# KiCad board backplane.kicad_pcb (continued)
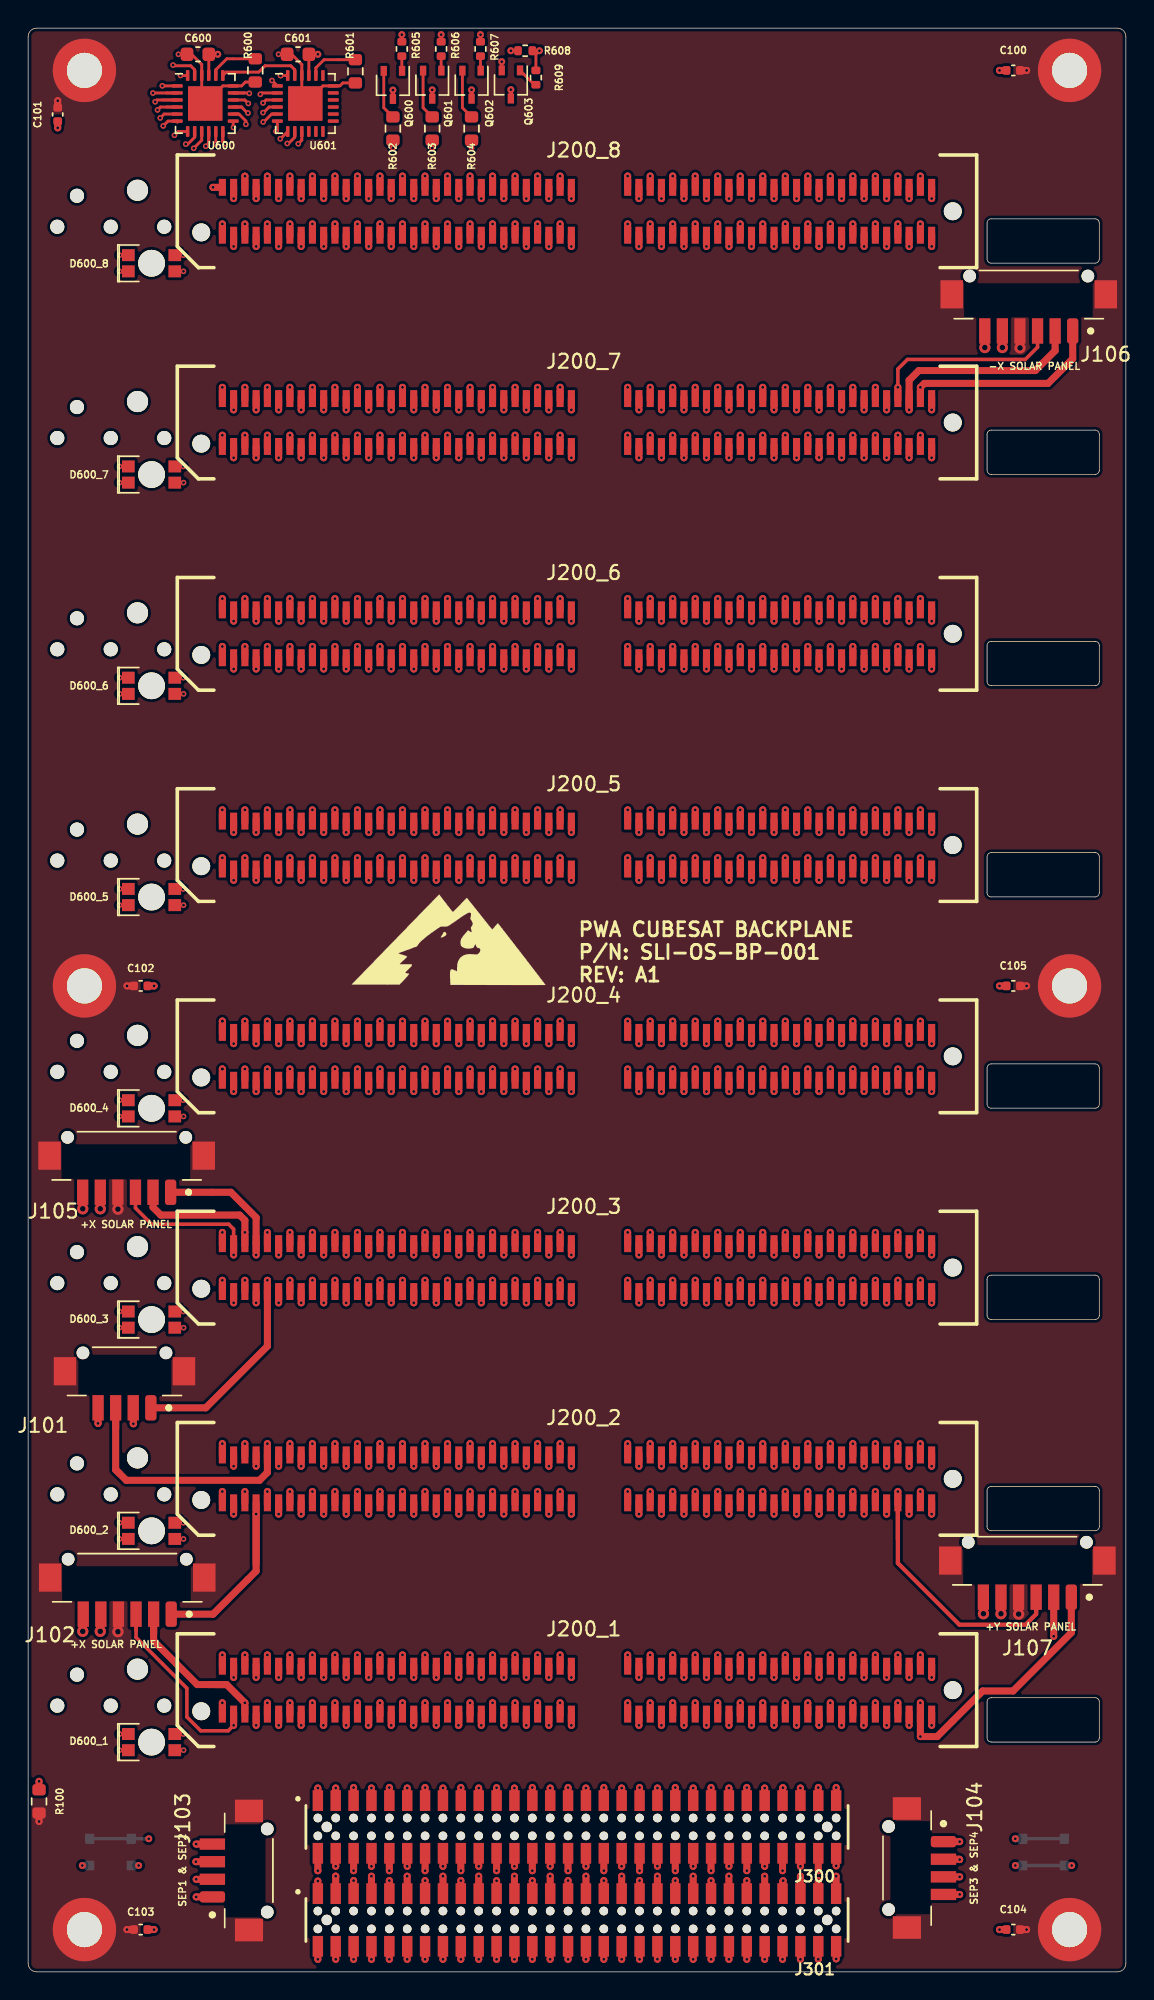
[diagram p0: board, top side]
## Routing (per net, layer and track width the routed paths; a pad name or vN(x,y) marks a point on that pad's centre or on a via; arc(x,y) is an arc through that point) (continued)
  In4.Cu w0.25: v1(54.87,6.79) 54.52,6.79 54.24,7.07 54.24,8.38 ; 54.24,8.38 54.24,9.02 ; 54.24,8.38 54.24,13.72 55.18,14.66 58.16,14.66 v1(61,17.5)
  In4.Cu w0.5: 61,122.5 61,112.1 60.2,111.3 60.2,110.28 61,109.48 v1(61,107.5) ; 61,47.5 61,37.1 60.2,36.3 60.2,35.28 61,34.48 v1(61,32.5) ; 61,62.5 61,52.1 60.2,51.3 60.2,50.28 61,49.48 v1(61,47.5) ; 61,77.5 61,67.1 60.2,66.3 60.2,65.28 61,64.48 v1(61,62.5) ; 61,92.5 61,82.1 60.2,81.3 60.2,80.28 61,79.48 v1(61,77.5) ; 61,107.5 61,97.1 60.2,96.3 60.2,95.28 61,94.48 v1(61,92.5) ; v1(61,17.5) 61,19.47 60.2,20.28 60.2,21.3 61,22.1 61,32.5
/H2-52: length 141.9
  Top w0.5: v1(61,125.9) 61,126.8 ; v1(61,20.9) 61,21.8 ; v1(61,35.9) 61,36.8 ; v1(61,50.9) 61,51.8 ; v1(61,65.9) 61,66.8 ; v1(61,80.9) 61,81.8 ; v1(61,95.9) 61,96.8 ; v1(61,110.9) 61,111.8 ; J301.56 v1(54.88,0.89)
  In2.Cu w0.25: v1(54.88,0.89) 54.24,1.52 54.24,13.46 56.34,15.56 58.28,15.56 60.42,17.7 60.42,18.36 61,18.94 v1(61,20.9)
  In2.Cu w0.5: 61,125.9 61,123.68 60.2,122.87 60.2,122.3 61,121.5 v1(61,110.9) ; 61,110.9 61,108.68 60.2,107.87 60.2,107.3 61,106.5 v1(61,95.9) ; 61,95.9 61,93.68 60.2,92.87 60.2,92.3 61,91.5 v1(61,80.9) ; v1(61,50.9) 61,61.5 60.2,62.3 60.2,62.87 61,63.68 61,65.9 ; v1(61,35.9) 61,46.5 60.2,47.3 60.2,47.87 61,48.68 61,50.9 ; 61,80.9 61,78.68 60.2,77.87 60.2,77.3 61,76.5 v1(61,65.9) ; v1(61,20.9) 61,31.5 60.2,32.3 60.2,32.87 61,33.68 61,35.9
/LED Driver/B1: length 138.1
  Top w0.2: 10.42,15.74 v2(11.04,15.74) ; U600.2 9.84,133.4
  Top w0.203: v2(8.87,133.4) 8.87,133.4 U600.2
  In3.Cu w0.203: v2(8.87,133.4) 7.92,132.45 4.82,132.45 0.44,128.07 0.44,15.8 2.25,13.98 9.29,13.98 v2(11.04,15.74)
/LED Driver/B2: length 119.4
  Top w0.2: 10.42,30.74 v2(11.04,30.74)
  Top w0.203: v2(9.39,131.62) 9.66,131.9 U600.5
  In3.Cu w0.203: v2(11.04,30.74) 10.71,30.74
  In4.Cu w0.203: v2(9.39,131.62) 6.34,131.62 0.45,125.74 0.45,31.46 1.86,30.06 10.36,30.06 v2(11.04,30.74)
/LED Driver/B3: length 107
  Top w0.2: 10.42,45.74 v2(11.04,45.74)
  Top w0.203: v2(11.2,129.77) 11.34,129.77 11.83,130.26 11.83,130.66
  In2.Cu w0.203: v2(11.2,129.77) 1.87,129.77 0.35,128.25 0.35,46.29 1.9,44.75 10.05,44.75 v2(11.04,45.74)
/LED Driver/B4: length 93.7
  Top w0.2: 10.42,60.74 v2(11.04,60.74) ; 13.33,130.66 v2(13.33,129.75)
  In1.Cu w0.203: v2(13.33,129.75) 12.81,130.28 10.99,130.28 10.39,129.68 1.88,129.68 0.4,128.19 0.4,63.03 0.34,62.97 0.34,61.82 2.15,60 10.31,60 v2(11.04,60.74)
/LED Driver/B5: length 74.4
  Top w0.2: 10.42,75.74 v2(11.04,75.74)
  Top w0.203: U600.14 14.98,131.9 15.47,131.41 v2(15.47,131.18)
  In3.Cu w0.203: v2(11.04,75.74) 10.36,75.06 6.18,75.06 4.34,76.89 4.34,129.28 5.35,130.29 9.54,130.29 10.88,131.62 15.02,131.62 v2(15.47,131.18)
/LED Driver/B6: length 62
  Top w0.2: 10.42,90.73 v2(11.04,90.73) ; U600.17 15.33,133.4
  Top w0.203: U600.17 15.68,133.4 v2(15.72,133.37)
  In4.Cu w0.203: v2(11.04,90.73) 9.95,89.65 5.54,89.65 4.8,90.39 4.8,127.66 5.96,128.81 13.82,128.81 15.04,130.03 15.06,130.03 16.19,131.16 16.19,132.9 v2(15.72,133.37)
/LED Driver/B7: length 45.7
  Top w0.2: 10.42,105.73 v2(11.04,105.73)
  Top w0.203: v2(16.69,132) 16.73,132 17.12,132.4 U601.4
  In1.Cu w0.203: v2(16.69,132) 16.41,132 16.03,131.63 16.03,130.35 13.68,128 5.07,128 4.29,127.22 4.29,105.74 4.97,105.05 10.36,105.05 v2(11.04,105.73)
/LED Driver/B8: length 27.2
  Top w0.2: 10.42,120.73 v2(11.04,120.73)
  Top w0.203: 18.45,130.66 17.93,130.15 v2(17.91,130.15)
  In3.Cu w0.203: v2(17.91,130.15) 17.6,130.15 15.5,128.05 7.35,128.05 6.58,127.28 6.58,126.12 7.08,125.62 7.08,123.25 5.93,122.1 5.93,120.3 6.42,119.81 9.42,119.81 10.35,120.73 v2(11.04,120.73)
/LED Driver/G1: length 128
  Top w0.2: D600_1.2 v2(6.5,15.74) ; 9.54,132.9 U600.3
  Top w0.203: U600.3 9.15,132.9 v2(9.03,132.77)
  In3.Cu w0.203: v2(9.03,132.77) 8.29,132.04 5.03,132.04 0.86,127.86 0.86,21.37 v2(6.5,15.74)
/LED Driver/G2: length 110
  Top w0.2: D600_2.2 v2(6.5,30.74)
  Top w0.203: 10.6,131.33 U600.6 9.94,131.4 v2(9.6,131.06)
  In4.Cu w0.203: v2(9.6,131.06) 6.35,131.06 0.86,125.57 0.86,36.37 v2(6.5,30.74)
/LED Driver/G3: length 98.4
  Top w0.2: D600_3.2 v2(6.5,45.74) ; 12.33,130.66 12.33,130.66
  Top w0.203: 12.33,130.66 12.33,130.04 v2(11.76,129.47)
  In2.Cu w0.203: v2(6.5,45.74) 0.75,51.48 0.75,128.08 1.92,129.25 11.54,129.25 v2(11.76,129.47)
/LED Driver/G4: length 88.6
  Top w0.2: D600_4.2 v2(6.5,60.74) ; 13.85,129.94 13.83,129.95 13.83,130.66
  Top w0.203: v2(14.02,129.8) 13.83,129.98 13.83,130.66
  In1.Cu w0.203: v2(14.02,129.8) 14.02,129.51 13.42,128.92 1.73,128.92 0.81,128 0.81,62.87 0.74,62.8 0.74,62.18 2.19,60.74 v2(6.5,60.74)
/LED Driver/G5: length 69.1
  Top w0.2: D600_5.2 v2(6.5,75.74) ; U600.15 15.18,132.4
  Top w0.203: v2(15.62,131.97) 15.58,131.97 15.16,132.4 U600.15
  In3.Cu w0.203: v2(15.62,131.97) 16.01,131.58 16.01,130.97 13.95,128.91 13.46,128.91 13.44,128.89 5.54,128.89 4.78,128.12 4.78,77.45 v2(6.5,75.74)
/LED Driver/G6: length 55.4
  Top w0.2: D600_6.2 v2(6.52,90.73)
  Top w0.203: U601.2 16.6,133.4 v2(16.5,133.3)
  In2.Cu w0.203: v2(6.52,90.73) 6.23,90.73 4.33,92.64 4.33,127.54 5.23,128.44 13.55,128.44 16.18,131.06 16.18,132.99 v2(16.5,133.3)
/LED Driver/G7: length 39
  Top w0.2: D600_7.2 v2(6.5,105.73)
  Top w0.203: v2(16.7,131.34) 16.74,131.34 17.3,131.9 U601.5
  In1.Cu w0.203: v2(16.7,131.34) 16.7,130.42 13.83,127.54 5.32,127.54 4.74,126.97 4.74,105.98 4.98,105.73 v2(6.5,105.73)
/LED Driver/G8: length 22.5
  Top w0.2: D600_8.2 v2(6.5,120.73)
  Top w0.203: v2(18.41,129.81) 18.5,129.81 18.95,130.26 18.95,130.66
  In4.Cu w0.203: v2(6.5,120.73) 5.78,121.45 5.78,122.49 6.78,123.49 6.78,124.95 6.31,125.42 6.31,127.61 7.07,128.37 13.95,128.37 15.21,129.62 18.23,129.62 v2(18.41,129.81)
/LED Driver/LATCH_LED: length 25.8
  Top w0.2: U600.1 9.45,133.9 ; U601.1 v2(17.33,134.28)
  Top w0.3: Q602.3 v1(31.51,133.62)
  In1.Cu w0.2: 17.37,134.24 v2(17.33,134.28) ; 25.86,132.59 30.48,132.59
  In1.Cu w0.203: 30.48,132.59 v1(31.51,133.62) ; 25.86,132.59 24.54,133.91 17.7,133.91 v2(17.33,134.28) ; 17.24,134.2 v2(17.33,134.28) ; v2(17.33,134.28) 11.48,134.28 11.1,133.91 v2(9.54,133.91) 9.6,133.97
/LED Driver/R1: length 125.6
  Top w0.2: D600_1.1 v2(6.5,16.89) ; U600.4 9.85,132.4
  Top w0.203: U600.4 9.4,132.4 v2(9.19,132.19)
  In3.Cu w0.203: v2(9.19,132.19) 8.63,131.63 5.28,131.63 1.27,127.62 1.27,22.12 v2(6.5,16.89)
/LED Driver/R2: length 108.8
  Top w0.2: D600_2.1 v2(6.5,31.89)
  Top w0.203: v2(10.4,130.4) 10.66,130.66 11.33,130.66
  In4.Cu w0.203: v2(10.4,130.4) 6.26,130.4 1.27,125.4 1.27,93.51 1.37,93.41 1.37,79.39 1.27,79.29 1.27,78.51 1.37,78.41 1.37,64.39 1.27,64.29 1.27,63.51 1.37,63.41 1.37,49.39 1.27,49.29 1.27,37.12 v2(6.5,31.89)
/LED Driver/R3: length 97.7
  Top w0.2: D600_3.1 v2(6.5,46.89) ; 12.83,130.66 12.83,129.93 12.84,129.92
  Top w0.203: v2(12.62,129.62) 12.83,129.83 12.83,130.66
  In2.Cu w0.203: v2(12.62,129.62) 11.85,128.84 2.33,128.84 1.27,127.78 1.27,52.12 v2(6.5,46.89)
/LED Driver/R4: length 84.5
  Top w0.2: D600_4.1 v2(6.5,61.89)
  Top w0.203: v2(14.59,130.94) 14.57,130.96 U600.13
  In1.Cu w0.203: v2(6.5,61.89) 1.27,67.12 1.27,127.57 2.15,128.46 13.57,128.46 14.59,129.48 v2(14.59,130.94)
/LED Driver/R5: length 66.9
  Top w0.2: D600_5.1 v2(6.5,76.89)
  Top w0.203: v2(15.65,132.65) 15.4,132.9 U600.16
  In4.Cu w0.203: v2(6.5,76.89) 4.37,79.02 4.37,127.8 6.2,129.62 10.34,129.62 13.37,132.65 v2(15.65,132.65)
/LED Driver/R6: length 54.1
  Top w0.2: D600_6.1 v2(6.5,91.88)
  Top w0.203: v2(16.69,132.69) 16.9,132.9 U601.3
  In2.Cu w0.203: v2(6.5,91.88) 5.91,91.88 4.75,93.05 4.75,126.83 5.93,128 14.23,128 17.28,131.06 17.28,132.38 16.96,132.69 v2(16.69,132.69)
/LED Driver/R7: length 36.6
  Top w0.2: D600_7.1 v2(6.5,106.88)
  Top w0.203: v2(17.61,130.67) 17.71,130.77 U601.6
  In3.Cu w0.203: v2(17.61,130.67) 17.33,130.67 15.13,128.48 7.21,128.48 6.17,127.44 6.17,125.95 6.67,125.45 6.67,123.47 5.48,122.28 5.48,111.28 7.1,109.66 7.1,107.49 v2(6.5,106.88) 6.67,107.06
/LED Driver/R8: length 21.1
  Top w0.2: 7.12,121.88 v2(6.5,121.88)
  Top w0.203: 19.45,130.66 19.45,130.04 v2(19.19,129.79)
  In4.Cu w0.203: v2(19.19,129.79) 18.62,129.22 15.37,129.22 14.12,127.97 7.24,127.97 6.72,127.44 6.72,125.59 7.19,125.12 7.19,122.57 v2(6.5,121.88)
/LED Driver/SCLK_LED: length 17.5
  Top w0.2: Q600.3 25.92,132.84 ; U600.24 v2(10.82,134.64)
  Top w0.203: U601.24 v2(17.94,134.64)
  Top w0.3: Q600.3 v1(25.92,133.6)
  In1.Cu w0.203: v2(10.82,134.64) 11.06,134.87 17.71,134.87 v2(17.94,134.64) 24.88,134.64 v1(25.92,133.6)
/LED Driver/SIN_LED: length 21.9
  Top w0.203: v2(10.3,135.38) 10.35,135.33 11.55,135.33 11.83,135.05 U600.23
  Top w0.3: Q601.3 v1(28.71,133.62)
  In1.Cu w0.203: v2(10.3,135.38) 25,135.38 26.77,133.62 v1(28.71,133.62)
/LED Driver/SOUT_LED_1: length 5.9
  Top w0.203: U601.23 18.95,135.05 18.66,135.33 16.83,135.33 16.38,134.88 14.08,134.88 U600.19
/LED Driver/~{enable}: length 14.9
  Top w0.2: v1(26.55,137.54) R605.1 ; v1(32.14,137.54) R607.1 ; v1(29.35,137.54) R606.1 ; R608.2 v1(34.3,136.4)
  Top w0.3: Q603.3 v1(34.3,133.64)
  In1.Cu w0.2: v1(34.3,133.64) v1(34.3,136.4) 33.16,137.54 ; 34.05,136.65 33.16,137.54 ; 33.16,137.54 v1(32.14,137.54) v1(29.35,137.54) v1(26.55,137.54)
/RBF: length 125.4
  Top w0.5: v1(28.2,124.1) 28.2,123.2 ; v1(28.2,19.1) 28.2,18.2 ; v1(28.2,34.1) 28.2,33.2 ; v1(28.2,49.1) 28.2,48.2 ; v1(28.2,64.1) 28.2,63.2 ; v1(28.2,79.1) 28.2,78.2 ; v1(28.2,94.1) 28.2,93.2 ; v1(28.2,109.1) 28.2,108.2 ; J300.19 v1(32.02,13.05)
  In1.Cu w0.25: v1(32.02,13.05) 28.2,16.86 v1(28.2,19.1)
  In1.Cu w0.5: v1(28.2,124.1) 28.2,122.3 29,121.5 29,112.1 28.2,111.3 v1(28.2,109.1) 28.2,107.3 29,106.5 29,97.1 28.2,96.3 v1(28.2,94.1) 28.2,92.3 29,91.5 29,82.1 28.2,81.3 v1(28.2,79.1) 28.2,77.3 29,76.5 29,67.1 28.2,66.3 v1(28.2,64.1) 28.2,62.3 29,61.5 29,52.1 28.2,51.3 v1(28.2,49.1) 28.2,47.3 29,46.5 29,37.1 28.2,36.3 v1(28.2,34.1) 28.2,32.3 29,31.5 29,22.1 28.2,21.3 v1(28.2,19.1)
/SELF_TEST: length 148.6
  Top w0.5: v1(57,124.1) 57,123.2 ; v1(57,19.1) 57,18.2 ; v1(57,34.1) 57,33.2 ; v1(57,49.1) 57,48.2 ; v1(57,64.1) 57,63.2 ; v1(57,79.1) 57,78.2 ; v1(57,94.1) 57,93.2 ; v1(57,109.1) 57,108.2 ; J300.51 v1(52.34,13.05)
  In1.Cu w0.25: v1(57,19.1) 57,17.46 56.16,16.62 55.91,16.62 v1(52.34,13.05) 53.06,12.32 67.28,12.32 v1(70.15,9.45)
  In1.Cu w0.5: v1(57,124.1) 57,122.3 57.8,121.5 57.8,112.1 57,111.3 v1(57,109.1) 57,107.3 57.8,106.5 57.8,97.1 57,96.3 v1(57,94.1) 57,92.3 57.8,91.5 57.8,82.1 57,81.3 v1(57,79.1) 57,77.3 57.8,76.5 57.8,67.1 57,66.3 v1(57,64.1) 57,62.3 57.8,61.5 57.8,52.1 57,51.3 v1(57,49.1) 57,47.3 57.8,46.5 57.8,37.1 57,36.3 v1(57,34.1) 57,32.3 57.8,31.5 57.8,22.1 57,21.3 v1(57,19.1)
  Bottom w0.25: 73.62,9.45 70.68,9.45
  Bottom w0.5: 70.68,9.45 v1(70.15,9.45)
/SEP1: length 149.5
  Top w0.5: v1(13.8,124.1) 13.8,123.2 ; v1(13.8,19.1) 13.8,18.2 ; v1(13.8,34.1) 13.8,33.2 ; v1(13.8,49.1) 13.8,48.2 ; v1(13.8,64.1) 13.8,63.2 ; v1(13.8,79.1) 13.8,78.2 ; v1(13.8,94.1) 13.8,93.2 ; v1(13.8,109.1) 13.8,108.2 ; J103.1 v1(11.94,5.32) ; J300.1 v1(20.59,13.05)
  In1.Cu w0.25: v1(11.94,5.32) 11.59,5.32 7.99,8.92 7.99,9.89 11.15,13.05 v1(20.59,13.05) 18.2,13.05 13.8,17.45 v1(13.8,19.1) ; 14.6,27.62 14.6,27.53
  In1.Cu w0.3: 13.8,122.3 13.8,122.3
  In1.Cu w0.5: v1(13.8,19.1) 13.8,21.3 14.6,22.1 14.6,31.5 13.8,32.3 v1(13.8,34.1) 13.8,36.3 14.6,37.1 14.6,46.5 13.8,47.3 v1(13.8,49.1) 13.8,51.3 14.6,52.1 14.6,61.5 13.8,62.3 v1(13.8,64.1) 13.8,66.3 14.6,67.1 14.6,76.5 13.8,77.3 v1(13.8,79.1) 13.8,81.3 14.6,82.1 14.6,91.5 13.8,92.3 v1(13.8,94.1) 13.8,96.3 14.6,97.1 14.6,106.5 13.8,107.3 v1(13.8,109.1) 13.8,111.3 14.6,112.1 14.6,121.5 13.8,122.3 v1(13.8,124.1)
/SEP2: length 145.5
  Top w0.5: v1(13.8,22.5) 13.8,21.6 ; v1(13.8,37.5) 13.8,36.6 ; v1(13.8,52.5) 13.8,51.6 ; v1(13.8,67.5) 13.8,66.6 ; v1(13.8,82.5) 13.8,81.6 ; v1(13.8,97.5) 13.8,96.6 ; v1(13.8,112.5) 13.8,111.6 ; J300.2 v1(20.59,7.18) ; J103.3 v1(11.92,7.82) ; J200_8.2 v1(13.14,126.7)
  In1.Cu w0.25: v1(11.92,7.82) 19.95,7.82 v1(20.59,7.18)
  In3.Cu w0.25: v1(13.8,22.5) 13.8,19.95 14.38,19.38 14.38,18.58 15.38,17.58 15.38,17.15 19.26,13.26 19.26,9.09 20.59,7.77 v1(20.59,7.18)
  In3.Cu w0.5: v1(13.8,22.5) 13.8,32.87 14.6,33.67 14.6,34.65 13.8,35.5 v1(13.8,37.5) 13.8,47.87 14.6,48.67 14.6,49.65 13.8,50.5 v1(13.8,52.5) 13.8,62.87 14.6,63.67 14.6,64.65 13.8,65.5 v1(13.8,67.5) 13.8,77.87 14.6,78.67 14.6,79.65 13.8,80.5 v1(13.8,82.5) 13.8,92.87 14.6,93.67 14.6,94.65 13.8,95.5 v1(13.8,97.5) 13.8,107.87 14.6,108.67 14.6,109.65 13.8,110.5 v1(13.8,112.5) 13.8,122.87 14.6,123.67 14.6,124.65 13.75,125.5 13.75,126.09 v1(13.14,126.7)
/SEP3: length 143.2
  Top w0.5: v1(64.2,122.5) 64.2,123.4 ; v1(64.2,17.5) 64.2,18.4 ; v1(64.2,32.5) 64.2,33.4 ; v1(64.2,47.5) 64.2,48.4 ; v1(64.2,62.5) 64.2,63.4 ; v1(64.2,77.5) 64.2,78.4 ; v1(64.2,92.5) 64.2,93.4 ; v1(64.2,107.5) 64.2,108.4 ; J301.59 57.41,6.79 ; J104.1 v1(66.19,9.25)
  In1.Cu w0.25: v1(57.41,6.79) 57.54,6.79 59.99,9.25 v1(66.19,9.25)
  In4.Cu w0.25: v1(57.41,6.79) 57.77,6.79 58.56,7.58 58.56,11.86 62.03,15.33 62.88,15.33 64.2,16.65 v1(64.2,17.5)
  In4.Cu w0.5: 64.2,122.5 64.2,112.1 63.4,111.3 63.4,110.28 64.2,109.48 v1(64.2,107.5) ; 64.2,32.5 64.2,22.1 63.4,21.3 63.4,20.28 64.2,19.48 v1(64.2,17.5) ; 64.2,47.5 64.2,37.1 63.4,36.3 63.4,35.28 64.2,34.48 v1(64.2,32.5) ; 64.2,62.5 64.2,52.1 63.4,51.3 63.4,50.28 64.2,49.48 v1(64.2,47.5) ; 64.2,77.5 64.2,67.1 63.4,66.3 63.4,65.28 64.2,64.48 v1(64.2,62.5) ; 64.2,92.5 64.2,82.1 63.4,81.3 63.4,80.28 64.2,79.48 v1(64.2,77.5) ; 64.2,107.5 64.2,97.1 63.4,96.3 63.4,95.28 64.2,94.48 v1(64.2,92.5)
/SEP4: length 155.9
  Top w0.5: v1(64.2,125.9) 64.2,126.8 ; v1(64.2,20.9) 64.2,21.8 ; v1(64.2,35.9) 64.2,36.8 ; v1(64.2,50.9) 64.2,51.8 ; v1(64.2,65.9) 64.2,66.8 ; v1(64.2,80.9) 64.2,81.8 ; v1(64.2,95.9) 64.2,96.8 ; v1(64.2,110.9) 64.2,111.8 ; J301.60 v1(57.41,0.92) ; J104.3 v1(66.19,6.75)
  In1.Cu w0.25: v1(66.19,6.75) 60.48,6.75 59.19,5.46 59.19,3.18 57.41,1.4 v1(57.41,0.92)
  In2.Cu w0.25: v1(64.2,20.9) 64.2,18.6 64.78,18.02 64.78,17.23 63.68,16.13 61.99,16.13 58.18,12.32 58.18,12.32 58.18,1.68 v1(57.41,0.92)
  In2.Cu w0.5: 64.2,125.9 64.2,123.68 63.4,122.87 63.4,122.3 64.2,121.5 v1(64.2,110.9) ; v1(64.2,95.9) 64.2,106.5 63.4,107.3 63.4,107.87 64.2,108.68 64.2,110.9 ; v1(64.2,80.9) 64.2,91.5 63.4,92.3 63.4,92.87 64.2,93.68 64.2,95.9 ; v1(64.2,35.9) 64.2,46.5 63.4,47.3 63.4,47.87 64.2,48.68 64.2,50.9 ; v1(64.2,65.9) 64.2,76.5 63.4,77.3 63.4,77.87 64.2,78.68 64.2,80.9 ; v1(64.2,50.9) 64.2,61.5 63.4,62.3 63.4,62.87 64.2,63.68 64.2,65.9 ; v1(64.2,20.9) 64.2,31.5 63.4,32.3 63.4,32.87 64.2,33.68 64.2,35.9
/USER_1: length 163.2
  Top w0.2: R604.2 v2(31.51,129.49)
  Top w0.5: v1(57,127.5) 57,126.6 ; v1(57,22.5) 57,21.6 ; v1(57,37.5) 57,36.6 ; v1(57,52.5) 57,51.6 ; v1(57,67.5) 57,66.6 ; v1(57,82.5) 57,81.6 ; v1(57,97.5) 57,96.6 ; v1(57,112.5) 57,111.6 ; J300.52 v1(52.34,7.49)
  In1.Cu w0.2: 55.01,129.49 v1(57,127.5)
  In1.Cu w0.203: 55.01,129.49 v2(31.51,129.49)
  In3.Cu w0.25: v1(57,22.5) 57,19.95 57.58,19.38 57.58,18.71 57.22,18.35 57.22,17.53 56.16,16.47 54.9,16.47 51.7,13.27 51.7,8.13 v1(52.34,7.49)
  In3.Cu w0.5: v1(57,127.5) 57,125.5 57.8,124.65 57.8,123.67 57,122.87 v1(57,112.5) 57,110.5 57.8,109.65 57.8,108.67 57,107.87 v1(57,97.5) 57,95.5 57.8,94.65 57.8,93.67 57,92.87 v1(57,82.5) 57,80.5 57.8,79.65 57.8,78.67 57,77.87 v1(57,67.5) 57,65.5 57.8,64.65 57.8,63.67 57,62.87 v1(57,52.5) 57,50.5 57.8,49.65 57.8,48.67 57,47.87 v1(57,37.5) 57,35.5 57.8,34.65 57.8,33.67 57,32.87 v1(57,22.5)
/USER_2: length 126.2
  Top w0.5: v1(58.6,124.1) 58.6,123.2 ; v1(58.6,19.1) 58.6,18.2 ; v1(58.6,34.1) 58.6,33.2 ; v1(58.6,49.1) 58.6,48.2 ; v1(58.6,64.1) 58.6,63.2 ; v1(58.6,79.1) 58.6,78.2 ; v1(58.6,94.1) 58.6,93.2 ; v1(58.6,109.1) 58.6,108.2 ; v1(53.63,13.07) 53.6,13.04 J300.53
  In1.Cu w0.25: v1(53.63,13.07) 57.14,16.58 57.73,16.58 58.6,17.45 v1(58.6,19.1)
  In1.Cu w0.5: v1(58.6,124.1) 58.6,122.3 59.4,121.5 59.4,112.1 58.6,111.3 v1(58.6,109.1) 58.6,107.3 59.4,106.5 59.4,97.1 58.6,96.3 v1(58.6,94.1) 58.6,92.3 59.4,91.5 59.4,82.1 58.6,81.3 v1(58.6,79.1) 58.6,77.3 59.4,76.5 59.4,67.1 58.6,66.3 v1(58.6,64.1) 58.6,62.3 59.4,61.5 59.4,52.1 58.6,51.3 v1(58.6,49.1) 58.6,47.3 59.4,46.5 59.4,37.1 58.6,36.3 v1(58.6,34.1) 58.6,32.3 59.4,31.5 59.4,22.1 58.6,21.3 v1(58.6,19.1)
/USER_3: length 137.4
  Top w0.5: v1(58.6,127.5) 58.6,126.6 ; v1(58.6,22.5) 58.6,21.6 ; v1(58.6,37.5) 58.6,36.6 ; v1(58.6,52.5) 58.6,51.6 ; v1(58.6,67.5) 58.6,66.6 ; v1(58.6,82.5) 58.6,81.6 ; v1(58.6,97.5) 58.6,96.6 ; v1(58.6,112.5) 58.6,111.6 ; J300.54 v1(53.6,7.18)
  In3.Cu w0.25: v1(58.6,22.5) 58.6,19.95 59.18,19.38 59.18,18.59 58.78,18.2 58.78,17.3 57.5,16.02 55.72,16.02 52.97,13.27 52.97,7.81 v1(53.6,7.18)
  In3.Cu w0.5: v1(58.6,127.5) 58.6,125.5 59.4,124.65 59.4,123.67 58.6,122.87 v1(58.6,112.5) 58.6,110.5 59.4,109.65 59.4,108.67 58.6,107.87 v1(58.6,97.5) 58.6,95.5 59.4,94.65 59.4,93.67 58.6,92.87 v1(58.6,82.5) 58.6,80.5 59.4,79.65 59.4,78.67 58.6,77.87 v1(58.6,67.5) 58.6,65.5 59.4,64.65 59.4,63.67 58.6,62.87 v1(58.6,52.5) 58.6,50.5 59.4,49.65 59.4,48.67 58.6,47.87 v1(58.6,37.5) 58.6,35.5 59.4,34.65 59.4,33.67 58.6,32.87 v1(58.6,22.5)
CHS: length 8.5
  Top w0.25: 76.47,29.2 J107.7 ; 5.87,2.93 5.8,3 ; 72.1,70.1 72.2,70
  Top w0.5: v1(7.02,70) C102.2 ; v1(7.02,3) C103.2 ; v1(70.95,135) 70.48,135 ; v1(70.95,70) 70.48,70 ; v1(70.95,3) 70.48,3 ; J105.4 6.38,55.35 v3(6.38,54.15) ; v1(0.77,10.68) R100.2 ; v1(2.1,132.85) C101.2
  Top w0.6: v3(6.38,24.15) 6.38,25.34 ; v3(70.38,25.4) 70.38,26.59 ; v3(70.48,115.3) 70.48,116.5 70.47,116.5
Net-(Q600-Pad1): length 1.1
  Top w0.2: Q600.1 26.55,134.98 R605.2
Net-(Q600-Pad2): length 3.5
  Top w0.2: Q600.2 25.27,132.35 R602.1
Net-(Q601-Pad1): length 1
  Top w0.2: Q601.1 29.35,135 R606.2
Net-(Q601-Pad2): length 3.6
  Top w0.2: Q601.2 28.06,132.35 R603.1
Net-(Q602-Pad1): length 1
  Top w0.2: R607.2 32.14,135 Q602.1
Net-(Q602-Pad2): length 3.6
  Top w0.2: R604.1 30.86,132.35 Q602.2
Net-(Q603-Pad1): length 1.5
  Top w0.2: Q603.1 35.97,133.98 R609.2
Net-(R600-Pad2): length 3.5
  Top w0.2: 14.58,135.83 R600.2
  Top w0.203: U600.20 13.33,135.05 14.11,135.83 14.58,135.83
Net-(R601-Pad2): length 3.6
  Top w0.2: 22.07,135.76 R601.2
  Top w0.203: 22.07,135.76 21.02,135.76 20.45,135.18 U601.20

## Copper pours and planes (outline as drawn; the poured copper is in the pictures)
/5V_USB on In4.Cu: 78.5,138 78.5,0 -0.5,0 -0.5,138
GND on In1.Cu: 78.5,138 78.5,0 -0.5,0 -0.5,138
GND on In2.Cu: 78.5,138 78.5,0 -0.5,0 -0.5,138
GND on In3.Cu: 78.5,138 78.5,0 -0.5,0 -0.5,138
CHS on Top: 78.5,138 78.5,0 -0.5,0 -0.5,138
CHS on Bottom: 78.5,0 -0.5,0 -0.5,138 78.5,138

## Text on the board
B.SilkS: RESET | SELF TEST | BACKPLANE BREAKOUT
Dwgs.User: 2oz copper all layers
F.Mask: HILLIS | KORNOWSKI
F.SilkS: +X SOLAR PANEL | +Y SOLAR PANEL | -X SOLAR PANEL | PWA CUBESAT BACKPLANE / P/N: SLI-OS-BP-001 / REV: A1
